# KiCad board kongMX.kicad_pcb
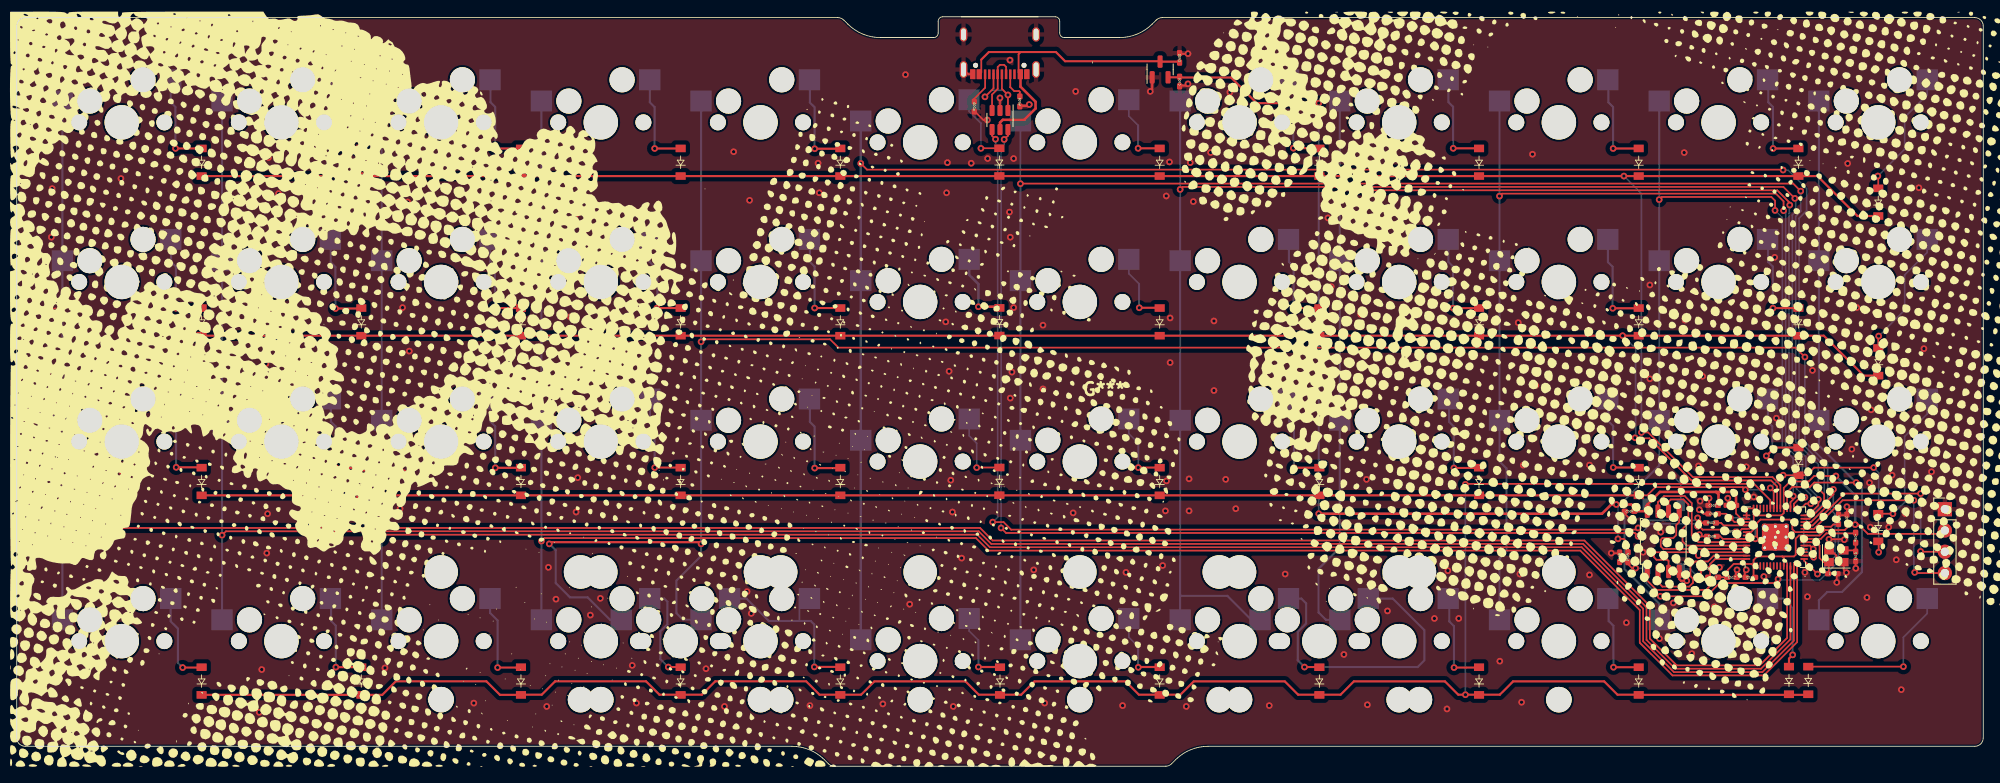
[diagram p0: board, top side]
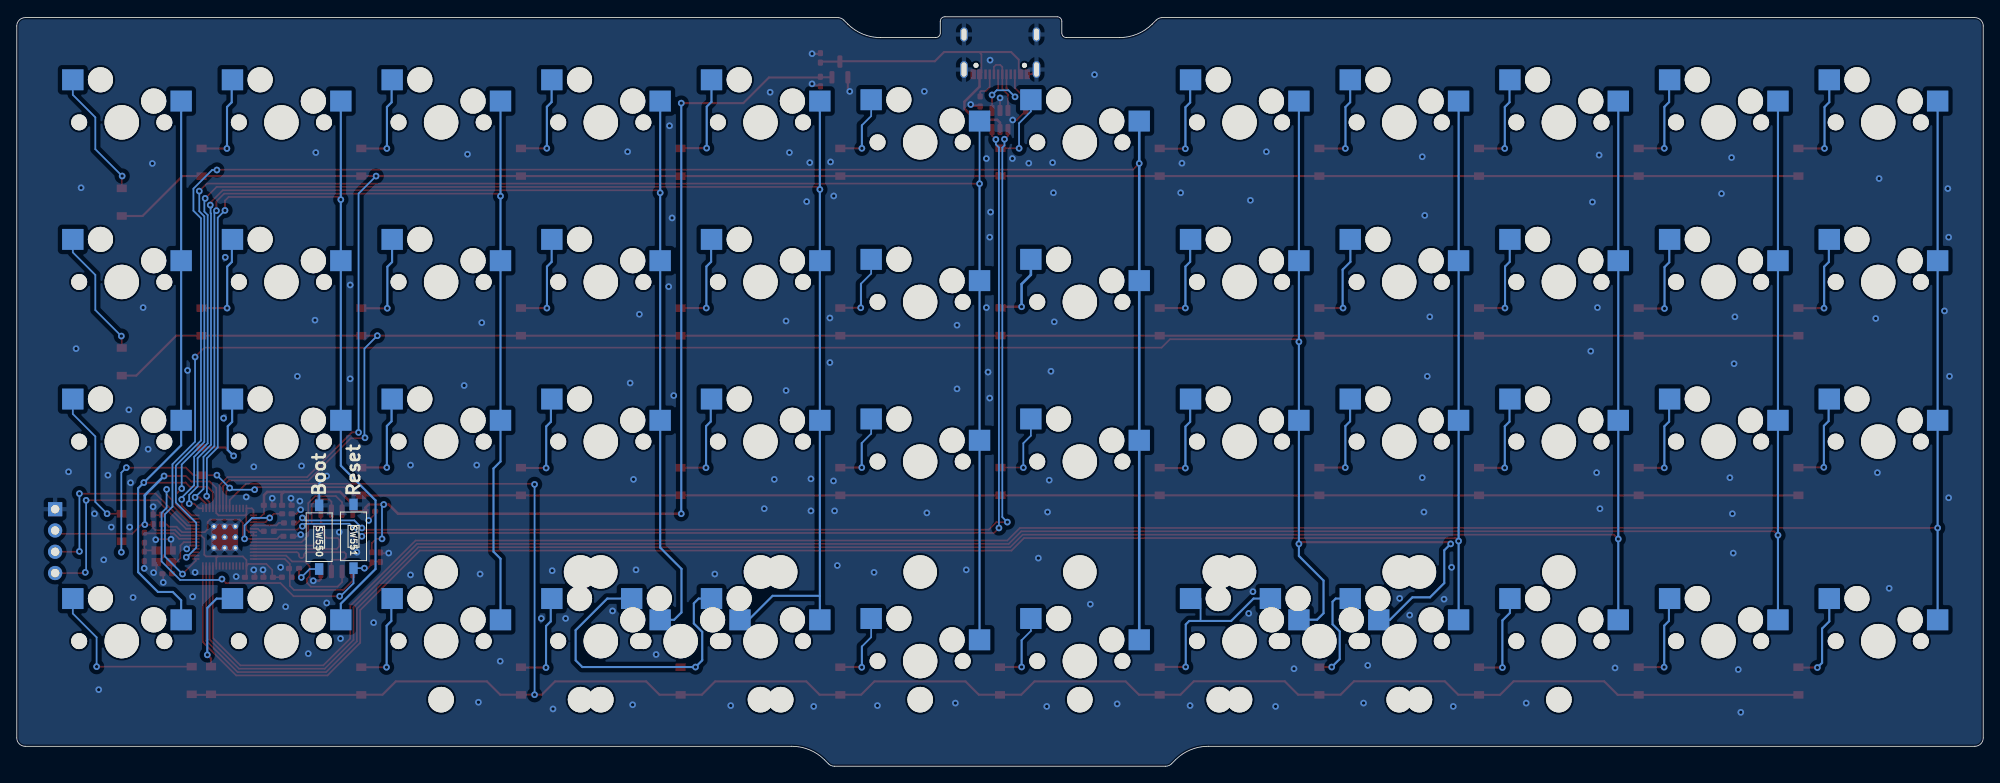
[diagram p1: board, bottom side, seen from below]

Outline 234.6 x 89.45 mm; copper layers: Top, Bottom. Coordinates in mm from the lower left corner of the outline.
Outline path: 0,88.34 0,3.38 ; 1,2.38 92.47,2.38 ; 96.36,0.77 96.84,0.29 ; 97.54,0 137.06,0 ; 97.96,89.34 1,89.34 ; 99.14,88.57 98.66,89.05 ; 109.38,86.96 103.03,86.96 ; 109.93,88.9 109.93,87.5 ; 123.88,89.45 110.47,89.45 ; 124.43,87.5 124.43,88.9 ; 131.57,86.96 124.97,86.96 ; 135.94,89.05 135.46,88.57 ; 137.76,0.29 138.24,0.77 ; 142.13,2.38 233.6,2.38 ; 233.6,89.34 136.64,89.34 ; 234.6,3.38 234.6,88.34
Stack: Top 0.035mm / dielectric 0.91mm FR4 er 4.5 / Bottom 0.035mm

## Placement (name value [footprint] x y rotation side)
C500  1uF  [C_0402_HandSolder]  138.73 84.54 90 top
C501  1uF  [C_0402_HandSolder]  138.73 81.72 270 top
C502  100nF  [C_0402_HandSolder]  202.38 31.14 180 top
C503  1uF  [C_0402_HandSolder]  204.56 31.14 180 top
C504  100nF  [C_0402_HandSolder]  192.41 30.43 180 top
C505  1uF  [C_0402_HandSolder]  202.38 30.13 180 top
C506  100nF  [C_0402_HandSolder]  217.34 29.47 90 top
C507  100nF  [C_0402_HandSolder]  218.34 29.47 90 top
C508  100nF  [C_0402_HandSolder]  202.23 27.44 180 top
C509  100nF  [C_0402_HandSolder]  191.23 24.94 90 top
C510  27pF  [C_0402_HandSolder]  219.39 25.05 90 top
C511  27pF  [C_0402_HandSolder]  216.65 22.98 180 top
C512  100nF  [C_0402_HandSolder]  204.61 22.55 0 top
C513  100nF  [C_0402_HandSolder]  206.82 22.55 180 top
D500  D  [D_SOD-123]  22.05 72.08 90 top
D501  D  [D_SOD-123]  41.1 72.08 90 top
D502  D  [D_SOD-123]  60.15 72.08 90 top
D503  D  [D_SOD-123]  79.2 72.08 90 top
D504  D  [D_SOD-123]  98.25 72.08 90 top
D505  D  [D_SOD-123]  117.23 72.1 90 top
D506  D  [D_SOD-123]  136.35 72.08 90 top
D507  D  [D_SOD-123]  155.4 72.08 90 top
D508  D  [D_SOD-123]  174.45 72.08 90 top
D509  D  [D_SOD-123]  193.5 72.08 90 top
D510  D  [D_SOD-123]  212.55 72.08 90 top
D511  D  [D_SOD-123]  222.08 67.32 90 top
D512  D  [D_SOD-123]  22.05 53.03 90 top
D513  D  [D_SOD-123]  41.1 53.03 90 top
D514  D  [D_SOD-123]  60.15 53.03 90 top
D515  D  [D_SOD-123]  79.2 53.03 90 top
D516  D  [D_SOD-123]  98.25 53.03 90 top
D517  D  [D_SOD-123]  117.23 53.05 90 top
D518  D  [D_SOD-123]  136.35 53.03 90 top
D519  D  [D_SOD-123]  155.4 53.03 90 top
D520  D  [D_SOD-123]  174.45 53.03 90 top
D521  D  [D_SOD-123]  193.5 53.03 90 top
D522  D  [D_SOD-123]  212.55 53.03 90 top
D523  D  [D_SOD-123]  222.08 48.27 90 top
D524  D  [D_SOD-123]  212.56 36.38 90 top
D525  D  [D_SOD-123]  22.05 33.98 90 top
D526  D  [D_SOD-123]  41.1 33.98 90 top
D527  D  [D_SOD-123]  60.15 33.98 90 top
D528  D  [D_SOD-123]  79.2 33.98 90 top
D529  D  [D_SOD-123]  98.25 33.98 90 top
D530  D  [D_SOD-123]  117.23 34 90 top
D531  D  [D_SOD-123]  136.35 33.98 90 top
D532  D  [D_SOD-123]  155.4 33.98 90 top
D533  D  [D_SOD-123]  174.45 33.98 90 top
D534  D  [D_SOD-123]  193.5 33.98 90 top
D535  D  [D_SOD-123]  222.08 28.49 90 top
D536  D  [D_SOD-123]  22.05 10.17 90 top
D537  D  [D_SOD-123]  41.1 10.17 90 top
D538  D  [D_SOD-123]  60.15 10.17 90 top
D539  D  [D_SOD-123]  79.2 10.17 90 top
D540  D  [D_SOD-123]  98.25 10.17 90 top
D541  D  [D_SOD-123]  117.3 10.17 90 top
D542  D  [D_SOD-123]  136.35 10.17 90 top
D543  D  [D_SOD-123]  155.4 10.17 90 top
D544  D  [D_SOD-123]  174.45 10.17 90 top
D545  D  [D_SOD-123]  193.5 10.17 90 top
D546  D  [D_SOD-123]  211.43 10.24 90 top
D547  D  [D_SOD-123]  213.73 10.24 90 top
G***  -  [LOGO]  129.72 45 0 top
J500  USB_C_Receptacle_USB2.0  [USB C-31-M-12]  117.28 83.65 180 top
J501  BL_CONN  [PinHeader_1x04_P2.54mm_Vertical]  230.03 30.68 0 top
R500  5.1k  [R_0402_HandSolder]  114.23 78.72 270 top
R501  5.1k  [R_0402_HandSolder]  119.67 79.34 270 top
R502  27R  [R_0402_HandSolder]  202.13 29.04 180 top
R503  27R  [R_0402_HandSolder]  204.54 28.04 180 top
R504  1k  [R_0402_HandSolder]  219.38 27.28 90 top
R505  1k  [R_0402_HandSolder]  192.23 24.94 270 top
R506  1k  [R_0402_HandSolder]  201.53 23.6 180 top
R507  10k  [R_0402_HandSolder]  202.38 22.56 0 top
SW500  SW_Push  [CherryMX_Hotswap]  12.53 76.84 0 top
SW501  SW_Push  [CherryMX_Hotswap]  31.58 76.84 0 top
SW502  SW_Push  [CherryMX_Hotswap]  50.63 76.84 0 top
SW503  SW_Push  [CherryMX_Hotswap]  69.68 76.84 0 top
SW504  SW_Push  [CherryMX_Hotswap]  88.73 76.84 0 top
SW505  SW_Push  [CherryMX_Hotswap]  145.88 76.84 0 top
SW506  SW_Push  [CherryMX_Hotswap]  164.93 76.84 0 top
SW507  SW_Push  [CherryMX_Hotswap]  183.98 76.84 0 top
SW508  SW_Push  [CherryMX_Hotswap]  203.03 76.84 0 top
SW509  SW_Push  [CherryMX_Hotswap]  222.08 76.84 0 top
SW510  SW_Push  [CherryMX_Hotswap]  107.78 74.46 0 top
SW511  SW_Push  [CherryMX_Hotswap]  126.83 74.46 0 top
SW512  SW_Push  [CherryMX_Hotswap]  12.53 57.79 0 top
SW513  SW_Push  [CherryMX_Hotswap]  31.58 57.79 0 top
SW514  SW_Push  [CherryMX_Hotswap]  50.63 57.79 0 top
SW515  SW_Push  [CherryMX_Hotswap]  69.68 57.79 0 top
SW516  SW_Push  [CherryMX_Hotswap]  88.73 57.79 0 top
SW517  SW_Push  [CherryMX_Hotswap]  145.88 57.79 0 top
SW518  SW_Push  [CherryMX_Hotswap]  164.93 57.79 0 top
SW519  SW_Push  [CherryMX_Hotswap]  183.98 57.79 0 top
SW520  SW_Push  [CherryMX_Hotswap]  203.03 57.79 0 top
SW521  SW_Push  [CherryMX_Hotswap]  222.08 57.79 0 top
SW522  SW_Push  [CherryMX_Hotswap]  107.78 55.41 0 top
SW523  SW_Push  [CherryMX_Hotswap]  126.83 55.41 0 top
SW524  SW_Push  [CherryMX_Hotswap]  12.53 38.74 0 top
SW525  SW_Push  [CherryMX_Hotswap]  31.58 38.74 0 top
SW526  SW_Push  [CherryMX_Hotswap]  50.63 38.74 0 top
SW527  SW_Push  [CherryMX_Hotswap]  69.68 38.74 0 top
SW528  SW_Push  [CherryMX_Hotswap]  88.73 38.74 0 top
SW529  SW_Push  [CherryMX_Hotswap]  145.88 38.74 0 top
SW530  SW_Push  [CherryMX_Hotswap]  164.93 38.74 0 top
SW531  SW_Push  [CherryMX_Hotswap]  183.98 38.74 0 top
SW532  SW_Push  [CherryMX_Hotswap]  203.03 38.74 0 top
SW533  SW_Push  [CherryMX_Hotswap]  222.08 38.74 0 top
SW534  SW_Push  [CherryMX_Hotswap]  107.78 36.36 0 top
SW535  SW_Push  [CherryMX_Hotswap]  126.83 36.36 0 top
SW536  SW_Push  [CherryMX_Hotswap]  12.53 14.93 0 top
SW537  SW_Push  [CherryMX_Hotswap]  31.58 14.93 0 top
SW538  SW_Push  [CherryMX_Hotswap]  50.63 14.93 0 top
SW539  SW_Push  [CherryMX_Hotswap_3u_stabs]  69.68 14.93 0 top
SW540  SW_Push  [CherryMX_Hotswap_2u_stabs]  79.2 14.93 0 top
SW541  SW_Push  [CherryMX_Hotswap_3u_stabs]  88.73 14.93 0 top
SW542  SW_Push  [CherryMX_Hotswap_3u_stabs]  145.88 14.93 0 top
SW543  SW_Push  [CherryMX_Hotswap_2u_stabs]  155.4 14.93 0 top
SW544  SW_Push  [CherryMX_Hotswap_3u_stabs]  164.93 14.93 0 top
SW545  SW_Push  [CherryMX_Hotswap]  183.98 14.93 0 top
SW546  SW_Push  [CherryMX_Hotswap]  203.03 14.93 0 top
SW547  SW_Push  [CherryMX_Hotswap]  222.08 14.93 0 top
SW548  SW_Push  [CherryMX_Hotswap]  107.78 12.55 0 top
SW549  SW_Push  [CherryMX_Hotswap]  126.83 12.55 0 top
SW550  SW_Push  [Micro_Push_Button_3x6x2.5mm]  198.53 27.34 270 bottom
SW551  SW_Push  [Micro_Push_Button_3x6x2.5mm]  194.43 27.44 270 bottom
U500  XC6206PxxxMR  [SOT-23]  136.4 83.16 90 top
U501  USBLC6-2SC6  [SOT-23-6]  117.3 77.12 270 top
U502  W25Q128JVS  [SOIC-8_5.23x5.23mm_P1.27mm]  196.43 26.84 90 top
U503  RP2040  [RP2040-QFN-56]  209.8 27.34 90 top
Y500  Crystal_GND24_Small  [Crystal_SMD_2520-4Pin_2.5x2.0mm]  217.08 25.06 0 top

## Footprints (pads in the part's own frame, mm; a bottom-side part is the same pattern mirrored in y, then rotated)
C_0402_HandSolder
  rrect 0.735x0.62 smd: 1(-0.568,0) 2(0.568,0)
CherryMX_Hotswap
  round 1.9 hole 1.9 unplated: (-5.08,0) (5.08,0)
  round 3 hole 3 unplated: (-3.81,2.54) (2.54,5.08)
  round 4.1 hole 4.1 unplated: (0,0)
  rect 2.55x2.5 smd far side: 1(-7.085,2.54) 2(5.842,5.08)
CherryMX_Hotswap_2u_stabs
  round 3.988 hole 3.988 unplated: (-11.938,8.255) (11.938,8.255)
  round 3.048 hole 3.048 unplated: (-11.938,-6.985) (11.938,-6.985)
  round 1.9 hole 1.9 unplated: (-5.08,0) (5.08,0)
  round 3 hole 3 unplated: (-3.81,2.54) (2.54,5.08)
  round 4.1 hole 4.1 unplated: (0,0)
  rect 2.55x2.5 smd far side: 1(-7.085,2.54) 2(5.842,5.08)
CherryMX_Hotswap_3u_stabs
  round 3.988 hole 3.988 unplated: (-19.05,8.255) (19.05,8.255)
  round 3.048 hole 3.048 unplated: (-19.05,-6.985) (19.05,-6.985)
  round 1.9 hole 1.9 unplated: (-5.08,0) (5.08,0)
  round 3 hole 3 unplated: (-3.81,2.54) (2.54,5.08)
  round 4.1 hole 4.1 unplated: (0,0)
  rect 2.55x2.5 smd far side: 1(-7.085,2.54) 2(5.842,5.08)
Crystal_SMD_2520-4Pin_2.5x2.0mm
  rect 1.15x1 smd: 1(-0.875,-0.7) 2(0.875,-0.7) 3(0.875,0.7) 4(-0.875,0.7)
D_SOD-123
  rect 0.9x1.2 smd: 1(-1.65,0) 2(1.65,0)
Micro_Push_Button_3x6x2.5mm
  rect 1.4x1 smd: 1(-3.8,0) 2(3.8,0)
PinHeader_1x04_P2.54mm_Vertical
  rect 1.7x1.7 hole 1: 1(0,0)
  oval 1.7x1.7 hole 1: 2(0,-2.54) 3(0,-5.08) 4(0,-7.62)
R_0402_HandSolder
  rrect 0.715x0.64 smd: 1(-0.598,0) 2(0.598,0)
RP2040-QFN-56
  rrect 1.084x1.084 smd: (-0.637,0.637) (-0.637,-0.637) (0.637,0.637) (0.637,-0.637)
  rrect 0.875x0.2 smd: 1(-3.438,2.6) 2(-3.438,2.2) 3(-3.438,1.8) 4(-3.438,1.4) 5(-3.438,1) 6(-3.438,0.6) 7(-3.438,0.2) 8(-3.438,-0.2) 9(-3.438,-0.6) 10(-3.438,-1) 11(-3.438,-1.4) 12(-3.438,-1.8) 13(-3.438,-2.2) 14(-3.438,-2.6) 29(3.438,-2.6) 30(3.438,-2.2) 31(3.438,-1.8) 32(3.438,-1.4) 33(3.438,-1) 34(3.438,-0.6) 35(3.438,-0.2) 36(3.438,0.2) 37(3.438,0.6) 38(3.438,1) 39(3.438,1.4) 40(3.438,1.8) 41(3.438,2.2) 42(3.438,2.6)
  rrect 0.2x0.875 smd: 15(-2.6,-3.438) 16(-2.2,-3.438) 17(-1.8,-3.438) 18(-1.4,-3.438) 19(-1,-3.438) 20(-0.6,-3.438) 21(-0.2,-3.438) 22(0.2,-3.438) 23(0.6,-3.438) 24(1,-3.438) 25(1.4,-3.438) 26(1.8,-3.438) 27(2.2,-3.438) 28(2.6,-3.438) 43(2.6,3.438) 44(2.2,3.438) 45(1.8,3.438) 46(1.4,3.438) 47(1,3.438) 48(0.6,3.438) 49(0.2,3.438) 50(-0.2,3.438) 51(-0.6,3.438) 52(-1,3.438) 53(-1.4,3.438) 54(-1.8,3.438) 55(-2.2,3.438) 56(-2.6,3.438)
  round 0.7 hole 0.35: 57(-1.275,1.275) 57(-1.275,0) 57(-1.275,-1.275) 57(0,1.275) 57(0,0) 57(0,-1.275) 57(1.275,1.275) 57(1.275,0) 57(1.275,-1.275)
  rrect 3.2x3.2 smd: 57(0,0)
SOIC-8_5.23x5.23mm_P1.27mm
  rrect 1.6x0.6 smd: 1(-3.6,1.905) 2(-3.6,0.635) 3(-3.6,-0.635) 4(-3.6,-1.905) 5(3.6,-1.905) 6(3.6,-0.635) 7(3.6,0.635) 8(3.6,1.905)
SOT-23
  rrect 1.475x0.6 smd: 1(-0.938,0.95) 2(-0.938,-0.95) 3(0.938,0)
SOT-23-6
  rrect 1.325x0.6 smd: 1(-1.137,0.95) 2(-1.137,0) 3(-1.137,-0.95) 4(1.137,-0.95) 5(1.137,0) 6(1.137,0.95)
USB C-31-M-12
  round 0.6 hole 0.6 unplated: (-2.89,0) (2.89,0)
  rect 0.6x1.15 smd: A1(-3.225,1.07) A4(-2.45,1.07) A9(2.45,1.07) A12(3.225,1.07) B1(3.225,1.07) B4(2.45,1.07) B9(-2.45,1.07) B12(-3.225,1.07)
  rect 0.3x1.15 smd: A5(-1.25,1.07) A6(-0.25,1.07) A7(0.25,1.07) A8(1.25,1.07) B5(1.75,1.07) B6(0.75,1.07) B7(-0.75,1.07) B8(-1.75,1.07)
  oval 0.9x2 hole 0.6x1.7: S1(-4.325,0.5) S1(4.325,0.5)
  oval 0.9x1.7 hole 0.6x1.4: S1(-4.325,-3.68) S1(4.325,-3.68)

## Nets
+1V1: C505.1 C506.1 C508.1 U503.23 U503.45 U503.50
+3.3V: C501.1 C502.1 C503.1 C504.1 C507.1 C512.1 C513.1 J501.2 R505.1 R507.2 U500.2 U502.8 U503.1 U503.10 U503.22 U503.33 U503.42 U503.43 U503.44 U503.48 U503.49
GND: C500.2 C501.2 C502.2 C503.2 C504.2 C505.2 C506.2 C507.2 C508.2 C509.2 C510.1 C511.1 C512.2 C513.2 J500.A1 J500.A12 J500.B1 J500.B12 J500.S1 J501.1 R500.2 R501.2 SW550.1 SW551.1 U500.1 U501.2 U502.4 U503.19 U503.57 Y500.2 Y500.4
VBUS: C500.1 J500.A4 J500.A9 J500.B4 J500.B9 U500.3 U501.5
Col_1: SW500.1 SW512.1 SW524.1 SW536.1 U503.11
Col_2: SW501.1 SW513.1 SW525.1 SW537.1 U503.12
Col_3: SW502.1 SW514.1 SW526.1 SW538.1 U503.13
Col_4: SW503.1 SW515.1 SW527.1 SW539.1 U503.14
Col_5: SW504.1 SW516.1 SW528.1 SW540.1 SW541.1 U503.15
Col_6: SW510.1 SW522.1 SW534.1 SW548.1 U503.16
Col_7: SW511.1 SW523.1 SW535.1 SW549.1 U503.27
Col_8: SW505.1 SW517.1 SW529.1 SW542.1 SW543.1 U503.28
Col_9: SW506.1 SW518.1 SW530.1 SW544.1 U503.29
Col_10: SW507.1 SW519.1 SW531.1 SW545.1 U503.30
Col_11: SW508.1 SW520.1 SW532.1 SW546.1 U503.31
Col_12: SW509.1 SW521.1 SW533.1 SW547.1 U503.32
D+: R503.2 U501.6
D-: R502.2 U501.4
QSPI_SCLK: U502.6 U503.52
QSPI_SD0: U502.5 U503.53
QSPI_SD1: U502.2 U503.55
QSPI_SD2: U502.3 U503.54
QSPI_SD3: U502.7 U503.51
QSPI_SS: R506.1 R507.1 U502.1 U503.56
Row_1: D500.1 D501.1 D502.1 D503.1 D504.1 D505.1 D506.1 D507.1 D508.1 D509.1 D510.1 D511.1 U503.34
Row_2: D512.1 D513.1 D514.1 D515.1 D516.1 D517.1 D518.1 D519.1 D520.1 D521.1 D522.1 D523.1 U503.35
Row_3: D524.1 D525.1 D526.1 D527.1 D528.1 D529.1 D530.1 D531.1 D532.1 D533.1 D534.1 D535.1 U503.36
Row_4: D536.1 D537.1 D538.1 D539.1 D540.1 D541.1 D542.1 D543.1 D544.1 D545.1 D546.1 D547.1 U503.37
Net-(C1-Pad2): C511.2 U503.20 Y500.1
Net-(C2-Pad2): C510.2 R504.1 Y500.3
Net-(C3-Pad1): C509.1 R505.2 SW551.2 U503.26
Net-(D1-Pad2): D500.2 SW500.2
Net-(D2-Pad2): D512.2 SW512.2
Net-(D3-Pad2): D525.2 SW524.2
Net-(D4-Pad2): D536.2 SW536.2
Net-(D5-Pad2): D501.2 SW501.2
Net-(D6-Pad2): D513.2 SW513.2
Net-(D7-Pad2): D526.2 SW525.2
Net-(D8-Pad2): D537.2 SW537.2
Net-(D9-Pad2): D538.2 SW538.2
Net-(D10-Pad2): D502.2 SW502.2
Net-(D11-Pad2): D514.2 SW514.2
Net-(D12-Pad2): D527.2 SW526.2
Net-(D13-Pad2): D503.2 SW503.2
Net-(D14-Pad2): D515.2 SW515.2
Net-(D15-Pad2): D528.2 SW527.2
Net-(D16-Pad2): D504.2 SW504.2
Net-(D17-Pad2): D516.2 SW516.2
Net-(D18-Pad2): D529.2 SW528.2
Net-(D19-Pad2): D540.2 SW540.2 SW541.2
Net-(D20-Pad2): D505.2 SW510.2
Net-(D21-Pad2): D517.2 SW522.2
Net-(D22-Pad2): D530.2 SW534.2
Net-(D23-Pad2): D541.2 SW548.2
Net-(D24-Pad2): D506.2 SW511.2
Net-(D25-Pad2): D518.2 SW523.2
Net-(D26-Pad2): D531.2 SW535.2
Net-(D27-Pad2): D542.2 SW549.2
Net-(D28-Pad2): D507.2 SW505.2
Net-(D29-Pad2): D519.2 SW517.2
Net-(D30-Pad2): D532.2 SW529.2
Net-(D31-Pad2): D539.2 SW539.2
Net-(D32-Pad2): D508.2 SW506.2
Net-(D33-Pad2): D520.2 SW518.2
Net-(D34-Pad2): D533.2 SW530.2
Net-(D35-Pad2): D509.2 SW507.2
Net-(D36-Pad2): D521.2 SW519.2
Net-(D37-Pad2): D534.2 SW531.2
Net-(D38-Pad2): D545.2 SW545.2
Net-(D39-Pad2): D510.2 SW508.2
Net-(D40-Pad2): D522.2 SW520.2
Net-(D41-Pad2): D524.2 SW532.2
Net-(D42-Pad2): D546.2 SW546.2
Net-(D43-Pad2): D511.2 SW509.2
Net-(D44-Pad2): D523.2 SW521.2
Net-(D45-Pad2): D535.2 SW533.2
Net-(D46-Pad2): D547.2 SW547.2
Net-(D47-Pad2): D543.2 SW542.2 SW543.2
Net-(D48-Pad2): D544.2 SW544.2
Net-(J1-Pad3): J501.3 U503.25
Net-(J1-Pad4): J501.4 U503.24
Net-(J3-PadA5): J500.A5 R501.1
Net-(J3-PadA6): J500.A6 J500.B6 U501.1
Net-(J3-PadA7): J500.A7 J500.B7 U501.3
Net-(J3-PadB5): J500.B5 R500.1
Net-(R2-Pad2): R504.2 U503.21
Net-(R3-Pad1): R503.1 U503.47
Net-(R4-Pad1): R502.1 U503.46
Net-(R5-Pad2): R506.2 SW550.2

Pads without a net: J500 A8 B8; U503 2 3 4 5 6 7 8 9 17 18 38 39 40 41

## Via types
v1: diameter 0.8, hole 0.4, Top to Bottom, 296 vias

## Routing (per net, layer and track width the routed paths; a pad name or vN(x,y) marks a point on that pad's centre or on a via; arc(x,y) is an arc through that point)
+1V1: length 27
  Top w0.2: 217.33,28.86 216.72,28.86 216.45,28.59 215.54,28.59 214.89,27.94 U503.23 212.18,27.94 211.83,28.29 211.83,29.14 211.53,29.44 208.03,29.44 207.63,29.04 207.63,27.34 v1(207.43,27.14) U503.50 203.53,27.14 203.23,27.44 202.71,27.44 ; U503.45 204.93,29.14 v1(204.43,29.64) 203.94,30.13 C505.1
  Bottom w0.2: v1(207.43,27.14) 207.43,28.74 206.53,29.64 v1(204.43,29.64)
+3.3V: length 194.4
  Top w0.2: U503.1 207.2,24.61 207.63,25.04 210.63,25.04 ; U503.1 206.96,24.14 204.83,24.14 204.13,23.44 204.13,22.55 204.12,22.56 203.05,22.56 ; U503.1 207.2,22.68 207.33,22.55 ; 207.2,30.06 U503.42 206.56,30.78 206.36,30.58 U503.43 U503.44 205.73,29.54 205.11,30.16 205.11,31.14 ; 207.2,30.06 207.33,29.94 210.53,29.94 210.8,30.21 U503.33 210.8,33.21 211.57,33.98 213.77,33.98 214.43,34.64 v1(217.03,34.64) ; 207.2,30.06 207.23,30.04 207.23,28.27 206.9,27.94 U503.48 U503.49 ; 210.63,25.04 212.03,25.04 212.23,25.24 212.23,27.16 212.6,27.54 U503.22 215.06,27.54 215.71,28.19 218.08,28.19 218.33,28.44 218.33,28.86 218.35,28.84 v1(219.33,28.84) 219.73,28.84 220.83,27.74 229.63,27.74 J501.2 ; 210.63,25.04 210.8,24.86 U503.10 ; 192.23,25.45 192.23,26.64 191.73,27.14 v1(191.03,27.14)
  Top w0.25: v1(155.33,79.14) 147.93,79.14 144.87,82.2 138.73,82.2 138.7,82.22 U500.2
  Top w0.3: 203.02,31.15 203.02,32.45 202.73,32.74 ; v1(155.33,30.14) 189.13,30.14 190.23,31.24 v1(190.83,31.24) 192.63,31.24 193.01,30.86 193.01,30.44 U502.8 194.52,31.23 196.03,32.74 202.73,32.74 ; 202.73,32.74 204.73,32.74 205.11,32.36 205.11,31.14
  Bottom w0.2: v1(191.03,27.14) 191.03,31.04 v1(190.83,31.24)
  Bottom w0.25: v1(155.33,79.14) v1(155.33,30.14)
  Bottom w0.3: v1(217.03,34.64) 219.33,32.34 v1(219.33,28.84)
GND: length 36.6
  Top w0.2: v1(218.34,30.97) 218.34,29.95 217.34,29.95 ; 201.9,31.14 201.9,31.97 ; 201.75,27.44 200.93,27.44 v1(200.73,27.64) ; v1(218.28,23.11) 217.95,23.43 Y500.2 217.71,24.36 217.08,24.99 217.08,25.16 216.48,25.76 Y500.4 v1(216.2,27.09) 217.98,27.09 v1(218.03,27.04) ; C504.2 191.84,30.13 v1(192.63,29.34) ; J500.A12 113.52,82.58 J500.S1 ; U503.19 213.93,26.34 v1(214.33,25.94) ; 114.23,78.21 115.32,77.12 v1(115.79,77.12) ; 219.38,24.8 219.38,23.86 219.39,23.85 ; 120.62,78.8 v1(120.8,78.97) ; C505.2 201.22,30.13 v1(200.73,30.62) ; v1(217.13,21.94) 217.13,21.94 217.13,22.98 ; U501.2 117.3,79.75 v1(117.3,79.76) ; 191.23,25.42 190.25,25.42 v1(190.23,25.44)
  Top w0.25: U500.1 135.45,80.76 v1(135.23,80.54) ; 206.15,22.54 206.15,23.26 v1(206.33,23.44) ; v1(139.73,85.04) 139.71,85.02 138.73,85.02 ; 138.73,81.24 139.53,81.24 v1(139.73,81.44) ; v1(205.23,23.44) 205.09,23.3 205.09,22.55 ; v1(199.23,22.14) 198.53,22.14 198.33,22.33 U502.4 ; 204.15,31.14 204.15,31.97 v1(204.13,31.99)
  Top w0.3: v1(120.8,78.97) 120.65,78.83 119.67,78.83
  Bottom w0.2: SW550.1 198.53,33.74 v1(197.63,34.64)
  vias: v1(4.03,46.54) v1(4.13,63.14) v1(4.13,32.04) v1(4.23,68.94) v1(4.63,54.34) v1(11.23,21.24) v1(12.43,70.14) v1(12.63,35.04) v1(12.83,53.44) v1(28.93,6.44) v1(29.23,11.54) v1(29.63,53.64) v1(29.73,48.04) v1(29.83,25.44) v1(29.93,30.14) v1(30.03,72.64) v1(30.23,34.44) v1(31.23,68.34) v1(43.93,11.74) v1(45.73,30.74) v1(45.83,72.94) v1(46.03,54.74) v1(46.13,35.04) v1(46.63,67.34) v1(46.83,49.54) v1(54.53,7.54) v1(63.23,7.14) v1(63.43,23.74) v1(64.33,19.94) v1(66.03,53.64) v1(66.33,46.54) v1(66.63,65.74) v1(66.73,30.34) v1(66.93,72.74) v1(66.93,34.44) v1(68.43,18.04) v1(69.63,20.04) v1(73.43,12.04) v1(73.93,7.54) v1(82.23,11.64) v1(84.43,7.14) v1(85.53,73.34) v1(87.13,20.84) v1(87.43,67.54) v1(87.63,18.24) v1(94.63,7.24) v1(95.6,71.97) v1(95.75,68.44) v1(103.33,7.44) v1(106.03,82.54) v1(106.53,19.34) v1(110.83,53.04) v1(110.93,68.44) v1(111.03,72.04) v1(111.23,47.14) v1(111.43,34.14) v1(111.63,30.34) v1(111.73,7.14) v1(112.73,24.84) v1(113.87,71.97) v1(115.83,72.52) v1(118.43,66.14) v1(118.49,84.27) v1(118.53,63.14) v1(118.53,43.94) v1(118.73,47.04) v1(118.93,72.52) v1(118.93,54.74) v1(121.33,23.44) v1(122.43,52.64) v1(122.43,45.04) v1(122.63,7.54) v1(126.03,30.24) v1(126.33,80.54) v1(131.93,7.24) v1(132.33,23.14) v1(136.71,23.96) v1(137.04,30.48) v1(137.14,68.06) v1(137.17,34.05) v1(137.52,72.12) v1(137.6,53.5) v1(137.6,48.18) v1(139.53,7.14) v1(139.86,34.3) v1(139.86,30.48) v1(140,72.04) v1(140.37,67.39) v1(142.43,73.24) v1(142.83,53.14) v1(142.83,44.84) v1(144.23,34.24) v1(144.73,80.44) v1(145.43,30.74) v1(149.43,7.24) v1(151.33,22.94) v1(156.23,44.24) v1(156.43,65.44) v1(156.73,76.44) v1(156.83,57.24) v1(158.33,13.34) v1(160.33,53.94) v1(160.73,23.44) v1(161.03,34.24) v1(161.13,7.34) v1(161.43,45.74) v1(161.73,73.34) v1(163.53,18.54) v1(169.13,17.64) v1(170.63,6.84) v1(170.73,23.34) v1(172.03,17.64) v1(176.93,12.54) v1(179.13,52.94) v1(179.33,22.94) v1(179.53,7.64) v1(179.73,35.94) v1(180.83,73.04) v1(181.23,45.44) v1(187.63,35.94) v1(187.63,22.84) v1(192.03,17.14) v1(194.03,25.54) v1(194.83,57.44) v1(194.83,46.24) v1(195.98,15.24) v1(196.13,27.94) v1(197.63,19.49) v1(198.93,73.24) v1(199.03,53.24) v1(199.83,13.44) v1(200.63,35.84) v1(200.83,31.64) v1(201.13,46.54) v1(201.89,31.99) v1(202.53,19.04) v1(203.13,23.74) v1(206.33,35.74) v1(207.23,32.14) v1(208.43,22.64) v1(209.73,60.74) v1(209.93,41.54) v1(213.33,23.14) v1(213.63,20.24) v1(214.23,47.24) v1(218.43,71.94) v1(218.93,37.84) v1(219.4,23.62) v1(219.53,54.74) v1(220.73,20.14) v1(221.03,33.84) v1(221.13,28.54) v1(221.23,42.54) v1(223.33,28.54) v1(223.73,34.74) v1(224.23,24.64) v1(224.83,9.14) v1(225.33,30.14) v1(226.93,69.04) v1(227.53,49.84) v1(228.43,35.14)
VBUS: length 39.6
  Top w0.2: 119.79,85.24 119.52,84.97 119.52,82.79 J500.A4 ; 115.07,84.33 115.07,82.83 J500.A9
  Top w0.25: 115.07,84.33 115.98,85.24 123.97,85.24 125.07,84.14 136.36,84.14 U500.3 138.69,84.09 138.73,84.06
  Top w0.3: U501.5 117.3,76.81 117.64,77.15 120.2,77.15 121.55,78.5 121.55,79.3 119.75,81.1 119.75,82.37
Col_1: length 286.7
  Top w0.2: v1(5.44,28.44) 114.93,28.44 116.43,26.94 187.02,26.94 194.83,19.13 194.83,15.24 198.03,12.04 207.93,12.04 211.2,15.31 U503.11
  Bottom w0.25: SW500.1 v1(5.44,28.44) SW536.1
Col_2: length 268.5
  Top w0.2: U503.12 211.6,15.15 208.09,11.64 197.86,11.64 194.43,15.07 194.43,18.97 186.86,26.54 116.26,26.54 114.76,28.04 24.96,28.04 v1(24.49,27.57)
  Bottom w0.25: SW501.1 v1(24.49,27.57) SW537.1
Col_3: length 250.1
  Top w0.2: v1(43.54,27.12) 44.06,27.64 114.59,27.64 116.09,26.14 186.69,26.14 194.03,18.8 194.03,14.91 197.69,11.24 208.26,11.24 212,14.98 U503.13
  Bottom w0.25: SW538.1 v1(43.54,27.12) SW502.1
Col_4: length 231.7
  Top w0.2: U503.14 212.4,14.82 208.42,10.84 197.53,10.84 193.63,14.74 193.63,18.64 186.53,25.74 115.93,25.74 114.43,27.24 62.96,27.24 v1(62.59,26.87)
  Bottom w0.25: SW539.1 v1(62.59,26.87) SW503.1
Col_5: length 260.7
  Top w0.2: U503.15 213.24,24.53 v1(214.83,22.94) ; v1(81.64,50.66) 81.94,50.96 97.03,50.96 98.02,49.96 212.21,49.96 v1(213.33,48.84)
  Top w0.25: v1(63.53,26.54) 63.73,26.74 81.44,26.74 v1(81.64,26.54)
  Bottom w0.2: v1(214.83,22.94) 216.93,25.04 216.93,30.07 216.03,30.97 216.03,36.04 213.33,38.74 v1(213.33,48.84)
  Bottom w0.25: v1(63.53,26.54) 64.3,25.77 64.3,21.86 66,20.16 68.1,20.16 70.79,17.47 SW540.1 ; SW504.1 SW528.1 v1(81.64,26.54) 81.64,25.1 78.7,22.16 78.7,18.26 79.47,17.49 80.45,17.49
Col_6: length 224.3
  Top w0.2: v1(100.69,71.94) 101.43,71.2 210.68,71.2 v1(210.73,71.16) ; v1(214.38,24.94) 214.18,25.14 U503.16
  Bottom w0.2: v1(210.73,71.16) 211.3,71.16 213.53,68.93 213.53,66.3 212.63,65.4 212.63,38.87 215.63,35.87 215.63,31.49 213.19,29.05 213.19,26.09 214.33,24.94
  Bottom w0.3: 100.69,77 v1(100.69,71.94) SW522.1 SW548.1
Col_7: length 197.5
  Top w0.2: U503.27 213.89,29.54 215.63,31.27 215.63,32.44 v1(214.93,33.14) ; v1(119.74,69.52) 119.76,69.54 211.93,69.54 v1(212.83,68.64)
  Bottom w0.2: v1(119.74,69.52) 119.74,77 ; v1(212.83,68.64) 212.83,66.23 212.23,65.63 212.23,38.71 214.93,36.01 v1(214.93,33.14)
  Bottom w0.25: v1(119.74,69.52) SW549.1
Col_8: length 187
  Top w0.2: U503.28 213.73,29.94 214.93,31.14 v1(214.93,31.84) ; v1(138.79,68.84) 139.09,69.14 210.76,69.14 v1(212.13,67.77)
  Bottom w0.2: v1(212.13,67.77) 212.22,67.68 212.22,66.19 211.83,65.8 211.83,38.54 213.44,36.93 213.44,33.54 214.93,32.05 v1(214.93,31.84)
  Bottom w0.25: 138.79,20.3 SW505.1 ; 138.79,20.3 138.83,20.34 144.43,20.34 147.29,17.47 SW543.1 ; 138.79,20.3 SW542.1
Col_9: length 158.4
  Top w0.2: v1(214.03,31.34) 213.43,31.34 212.86,30.78 U503.29 ; v1(157.84,68.44) 158.14,68.74 210.03,68.74 211.52,67.24 v1(211.52,66.98)
  Bottom w0.2: v1(214.03,31.34) 214.03,32.39 213.03,33.39 213.03,36.78 211.43,38.38 211.43,65.96 211.48,66.01 211.48,66.59 211.31,66.77 v1(211.52,66.98)
  Bottom w0.25: SW544.1 156.19,17.47 155.3,18.36 155.3,23.56 157.84,26.1 SW530.1 SW506.1
Col_10: length 135.6
  Top w0.2: v1(213.33,32.1) 212.79,32.1 212,31.31 U503.30 ; v1(210.78,66.3) 210.78,67.42 209.86,68.34 177.19,68.34 v1(176.89,68.04)
  Bottom w0.2: v1(210.78,66.3) 211.03,66.06 211.03,38.21 212.33,36.91 212.33,33.1 v1(213.33,32.1)
  Bottom w0.25: SW545.1 176.89,24.77 177.73,25.61 177.73,35.54 176.89,36.37 SW507.1
Col_11: length 117.2
  Top w0.2: U503.31 211.6,31.51 211.94,31.85 v1(211.94,32.24) ; v1(195.94,67.62) 196.26,67.94 209.33,67.94 209.76,67.5 v1(209.76,66.33)
  Bottom w0.2: v1(211.94,32.24) 211.93,32.25 211.93,36.74 210.63,38.04 210.63,65.47 v1(209.76,66.33)
  Bottom w0.25: SW546.1 195.94,19.4 191.8,23.54 191.8,31.74 195.94,35.88 v1(195.94,67.62) SW508.1
Col_12: length 77.9
  Top w0.2: v1(219.44,33.85) 214.44,33.85 213.93,33.34 211.83,33.34 211.2,32.71 U503.32
  Bottom w0.25: SW509.1 214.99,38.3 v1(219.44,33.85) 220.13,33.17 220.13,23.17 217.76,20.8 215.99,20.8 214.99,19.8 SW547.1
D+: length 135.9
  Top w0.2: v1(200.52,28.64) 200.72,28.64 201.12,28.24 203.83,28.24 204.03,28.04 ; v1(117.43,28.44) 118.03,27.84 193.03,27.84 v1(193.43,27.44) ; v1(117.79,74.8) 118.25,75.26 118.25,75.96
  Bottom w0.2: v1(200.52,28.64) 200.22,28.94 194.92,28.94 v1(193.43,27.44) ; v1(117.43,28.44) 117.43,73.84 117.79,74.21 v1(117.79,74.8)
D-: length 133.7
  Top w0.2: 116.35,75.96 116.35,75.25 v1(116.77,74.83) ; 201.62,29.04 201.12,29.04 v1(200.52,29.64) ; v1(193.43,28.44) 193.23,28.24 118.63,28.24 117.73,29.14 v1(116.43,29.14)
  Bottom w0.2: v1(200.52,29.64) 200.23,29.34 194.33,29.34 v1(193.43,28.44) ; v1(116.43,29.14) 117.03,29.74 117.03,73.84 116.77,74.1 v1(116.77,74.83)
QSPI_SCLK: length 16.4
  Top w0.2: U503.52 199.23,26.34 198.73,26.84 198.73,28.34 199.43,29.04 199.43,31.24 198.83,31.84 197.33,31.84 197.06,31.57 U502.6
QSPI_SD0: length 16.2
  Top w0.2: U503.53 196.43,25.94 196.13,26.24 196.13,27.04 196.33,27.24 197.63,27.24 197.98,27.59 197.98,28.79 198.33,29.14 198.33,30.43 U502.5
QSPI_SD1: length 15.2
  Top w0.2: U502.2 195.79,21.97 196.33,21.44 199.52,21.44 199.98,21.9 199.98,22.38 199.67,22.69 199.67,23.88 200.23,24.44 201.76,24.44 202.46,25.14 U503.55
QSPI_SD2: length 15.6
  Top w0.2: U503.54 201.23,25.54 arc(201.01,25.45) 200.93,25.24 200.93,25.14 arc(200.84,24.93) 200.63,24.84 arc(200.41,24.93) 200.33,25.14 200.33,25.24 arc(200.24,25.45) 200.03,25.54 195.53,25.54 195.33,25.34 195.33,24.94 195.63,24.64 196.93,24.64 197.06,24.5 U502.3
QSPI_SD3: length 16.4
  Top w0.2: 206.3,26.74 200.63,26.74 199.83,27.54 199.83,31.4 198.99,32.24 196.53,32.24 195.79,31.5 U502.7
QSPI_SS: length 16.5
  Top w0.2: U502.1 194.52,22.14 195.63,21.04 201.53,21.04 202.03,21.54 202.03,24.14 202.62,24.74 U503.56
Row_1: length 255.4
  Top w0.2: v1(193.83,39.84) 194.63,39.84 199.96,34.5 209.46,34.5 210.4,33.56 U503.34
  Top w0.25: D500.1 D504.1 v1(191.73,70.43) D510.1 214.83,70.43 219.59,65.67 D511.1
  Bottom w0.2: v1(193.83,39.84) 193.83,68.34 v1(191.73,70.43)
Row_2: length 236.9
  Top w0.2: U503.35 210,33.4 209.29,34.1 199.79,34.1 194.76,39.14 193.12,39.14 v1(193.06,39.2)
  Top w0.25: D523.1 220.34,46.62 215.58,51.38 D522.1 v1(191.58,51.38) D516.1 D512.1
  Bottom w0.2: v1(191.58,51.38) 193.13,49.84 193.13,39.55 193.27,39.41 v1(193.06,39.2)
Row_3: length 215.4
  Top w0.2: D534.1 194.52,32.33 195.49,33.3 205.93,33.3 v1(206.23,33.01) ; D535.1 222.13,26.79 v1(222.13,25.54) ; U503.36 209.6,32.81 v1(209.2,33.21) ; v1(221.53,35.64) 214.43,35.64 213.52,34.73 D524.1 210.73,34.73 v1(210.73,34.74)
  Top w0.25: D534.1 D529.1 D525.1
  Bottom w0.2: v1(222.13,25.54) 222.13,35.04 v1(221.53,35.64) ; v1(206.23,33.01) 208.99,33.01 v1(209.2,33.21) v1(210.73,34.74)
Row_4: length 265.6
  Top w0.2: U503.37 209.2,31.76 207.26,33.7 172.89,33.7 v1(172.83,33.64)
  Top w0.25: 98.28,8.54 95.77,8.54 94.17,10.14 83.33,10.14 81.73,8.54 79.23,8.54 ; 155.38,8.54 152.87,8.54 151.28,10.13 140.41,10.13 138.83,8.54 136.33,8.54 ; 117.28,8.54 114.77,8.54 113.18,10.13 102.31,10.13 100.73,8.54 98.23,8.54 ; 60.13,8.54 62.63,8.54 64.23,10.14 75.07,10.14 76.67,8.54 79.18,8.54 ; D545.1 213.66,8.52 D547.1 ; 174.43,8.54 176.93,8.54 178.51,10.13 189.38,10.13 190.97,8.54 193.48,8.54 ; 117.33,8.54 119.83,8.54 121.41,10.13 132.28,10.13 133.87,8.54 136.38,8.54 ; 155.43,8.54 157.93,8.54 159.51,10.13 170.38,10.13 171.97,8.54 v1(172.83,8.54) 174.48,8.54 ; D536.1 D537.1 43.61,8.52 45.23,10.14 56.03,10.14 57.64,8.52 D538.1
  Bottom w0.2: v1(172.83,33.64) v1(172.83,8.54)
Net-(C1-Pad2): length 6.2
  Top w0.2: U503.20 214.67,26.74 215.08,26.33 215.08,24.85 215.57,24.36 Y500.1 216.17,24.33 216.17,22.98
Net-(C2-Pad2): length 2.4
  Top w0.2: 219.38,26.77 219.38,25.76 219.37,25.76 Y500.3
Net-(C3-Pad1): length 45.5
  Top w0.2: v1(196.07,20.29) 201.58,20.29 203.15,21.86 209.65,21.86 v1(210.13,22.34) ; U503.26 214.06,29.14 216.03,31.11 216.03,31.74 216.72,32.44 v1(216.72,33.04) ; v1(193.13,23.64) 192.71,23.64 192.23,24.12 192.23,24.43 191.26,24.43
  Bottom w0.2: v1(216.72,33.04) 216.72,30.84 217.33,30.24 217.33,24.45 215.11,22.23 210.24,22.23 v1(210.13,22.34) ; v1(196.07,20.29) 195.98,20.29 194.43,21.84 SW551.2 v1(193.13,23.64)
Net-(D1-Pad2): length 11.5
  Top w0.25: v1(18.94,73.73) D500.2
  Bottom w0.25: SW500.2 18.37,79.25 18.93,78.68 18.93,73.74 v1(18.94,73.73)
Net-(D2-Pad2): length 11.5
  Top w0.25: v1(18.99,54.67) 22.1,54.67
  Bottom w0.25: v1(18.99,54.67) 18.98,54.68 18.98,59.62 18.42,60.18 18.42,62.86
Net-(D3-Pad2): length 11.5
  Top w0.25: v1(19.02,35.68) 22.13,35.68
  Bottom w0.25: 18.45,43.87 18.45,41.19 19.01,40.63 19.01,35.69 v1(19.02,35.68)
Net-(D4-Pad2): length 11
  Top w0.25: v1(19.79,11.78) 22.05,11.78
  Bottom w0.25: v1(19.79,11.78) 19.23,12.34 19.23,16.43 18.37,17.29 18.37,19.97
Net-(D5-Pad2): length 11.5
  Top w0.25: v1(38.05,73.75) 41.16,73.75
  Bottom w0.25: v1(38.05,73.75) 38.04,73.76 38.04,78.7 37.48,79.26 37.48,81.94
Net-(D6-Pad2): length 11.5
  Top w0.25: v1(38.03,54.63) 41.14,54.63
  Bottom w0.25: 37.46,62.82 37.46,60.14 38.02,59.58 38.02,54.64 v1(38.03,54.63)
Net-(D7-Pad2): length 11.5
  Top w0.25: v1(38.05,35.62) 41.16,35.62
  Bottom w0.25: 37.48,43.81 37.48,41.13 38.04,40.57 38.04,35.63 v1(38.05,35.62)
Net-(D8-Pad2): length 11.5
  Top w0.25: v1(38.07,11.83) 41.18,11.83
  Bottom w0.25: v1(38.07,11.83) 38.06,11.84 38.06,16.78 37.5,17.34 37.5,20.02
Net-(D9-Pad2): length 11.3
  Top w0.25: v1(57.36,11.78) 60.15,11.78
  Bottom w0.25: v1(57.36,11.78) 57.36,17.4 56.47,18.3 56.47,19.97
Net-(D10-Pad2): length 11.5
  Top w0.25: v1(57.09,73.73) 60.2,73.73
  Bottom w0.25: 56.52,81.92 56.52,79.24 57.08,78.68 57.08,73.74 v1(57.09,73.73)
Net-(D11-Pad2): length 11.5
  Top w0.25: v1(57.06,54.69) 60.17,54.69
  Bottom w0.25: 56.49,62.88 56.49,60.2 57.05,59.64 57.05,54.7 v1(57.06,54.69)
Net-(D12-Pad2): length 11.5
  Top w0.25: v1(57.09,35.62) 60.2,35.62
  Bottom w0.25: v1(57.09,35.62) 57.08,35.63 57.08,40.57 56.52,41.13 56.52,43.81
Net-(D13-Pad2): length 11.5
  Top w0.25: v1(76.1,73.73) 79.21,73.73
  Bottom w0.25: 75.53,81.92 75.53,79.24 76.09,78.68 76.09,73.74 v1(76.1,73.73)
Net-(D14-Pad2): length 11.4
  Top w0.25: v1(76.38,54.69) 79.18,54.69
  Bottom w0.25: v1(76.38,54.69) 76.43,54.73 76.43,59.27 75.5,60.2 75.5,62.88
Net-(D15-Pad2): length 11.5
  Top w0.25: v1(76.11,35.65) 79.22,35.65
  Bottom w0.25: 75.54,43.84 75.54,41.16 76.1,40.6 76.1,35.66 v1(76.11,35.65)
Net-(D16-Pad2): length 11.5
  Top w0.25: v1(95.19,73.7) 98.3,73.7
  Bottom w0.25: v1(95.19,73.7) 95.18,73.71 95.18,78.65 94.62,79.21 94.62,81.89
Net-(D17-Pad2): length 11.5
  Top w0.25: v1(95.19,54.69) 98.3,54.69
  Bottom w0.25: v1(95.19,54.69) 95.18,54.7 95.18,59.64 94.62,60.2 94.62,62.88
Net-(D18-Pad2): length 11.5
  Top w0.25: v1(95.19,35.59) 98.3,35.59
  Bottom w0.25: 94.62,43.78 94.62,41.1 95.18,40.54 95.18,35.6 v1(95.19,35.59)
Net-(D19-Pad2): length 22.3
  Top w0.25: v1(95.15,11.86) 98.26,11.86
  Bottom w0.2: 93.37,20.03 93.37,17.39 93.43,17.34
  Bottom w0.25: SW540.2 87.05,20.01 89.73,17.34 94.73,17.34 95.14,16.92 95.14,11.87 v1(95.15,11.86)
Net-(D20-Pad2): length 8.6
  Top w0.2: 117.22,73.76 115.04,73.76 v1(115.02,73.74)
  Bottom w0.2: v1(115.02,73.74) 115.02,76.74 113.62,78.15 113.62,79.55
Net-(D21-Pad2): length 8.7
  Top w0.3: D517.2 117.09,54.84 v1(114.73,54.84)
  Bottom w0.3: SW522.2 113.62,58.65 114.73,57.54 v1(114.73,54.84)
Net-(D22-Pad2): length 8.9
  Top w0.2: D530.2 114.53,35.65 v1(114.52,35.64)
  Bottom w0.2: SW534.2 113.62,39.45 114.52,38.55 v1(114.52,35.64)
Net-(D23-Pad2): length 8.8
  Top w0.25: v1(114.72,11.85) 117.29,11.85
  Bottom w0.2: 114.72,15.04 113.62,16.14 SW548.2
  Bottom w0.25: v1(114.72,11.85) 114.72,15.04
Net-(D24-Pad2): length 8.9
  Top w0.25: v1(133.78,73.75) 136.42,73.75
  Bottom w0.2: SW511.2 132.67,77.6 133.78,76.49
  Bottom w0.25: v1(133.78,73.75) 133.78,73.75 133.78,76.49
Net-(D25-Pad2): length 8.7
  Top w0.25: v1(133.91,54.72) 136.36,54.72
  Bottom w0.2: 133.89,57.58 132.67,58.8 SW523.2
  Bottom w0.25: v1(133.91,54.72) 133.89,54.74 133.89,57.58
Net-(D26-Pad2): length 8.9
  Top w0.25: v1(133.79,35.65) 136.43,35.65
  Bottom w0.2: 133.8,38.57 132.67,39.7 SW535.2
  Bottom w0.25: 133.8,38.57 133.8,35.65 v1(133.79,35.65)
Net-(D27-Pad2): length 9
  Top w0.25: v1(133.8,11.81) 133.83,11.85 136.45,11.85
  Bottom w0.2: 133.78,14.29 132.67,15.4 SW549.2
  Bottom w0.25: 133.78,14.29 133.78,11.83 v1(133.8,11.81)
Net-(D28-Pad2): length 11.5
  Top w0.25: v1(152.3,73.77) 155.41,73.77
  Bottom w0.25: 151.73,81.96 151.73,79.28 152.29,78.72 152.29,73.78 v1(152.3,73.77)
Net-(D29-Pad2): length 11.5
  Top w0.25: v1(152.34,54.69) 155.45,54.69
  Bottom w0.25: 151.77,62.88 151.77,60.2 152.33,59.64 152.33,54.7 v1(152.34,54.69)
Net-(D30-Pad2): length 11.5
  Top w0.25: v1(152.38,35.63) 155.49,35.63
  Bottom w0.25: 151.81,43.82 151.81,41.14 152.37,40.58 152.37,35.64 v1(152.38,35.63)
Net-(D31-Pad2): length 12.3
  Top w0.25: D539.2 79.18,11.84 v1(77.73,11.84)
  Bottom w0.25: SW539.2 77.25,20.01 77.63,19.64 77.63,16.94 76.78,16.09 76.78,12.79 v1(77.73,11.84)
Net-(D32-Pad2): length 11.5
  Top w0.25: v1(171.37,73.75) 174.48,73.75
  Bottom w0.25: 170.8,81.94 170.8,79.26 171.36,78.7 171.36,73.76 v1(171.37,73.75)
Net-(D33-Pad2): length 11.5
  Top w0.25: v1(171.36,54.68) 174.47,54.68
  Bottom w0.25: 170.79,62.87 170.79,60.19 171.35,59.63 171.35,54.69 v1(171.36,54.68)
Net-(D34-Pad2): length 11.5
  Top w0.25: v1(171.45,35.6) 174.56,35.6
  Bottom w0.25: 170.88,43.79 170.88,41.11 171.44,40.55 171.44,35.61 v1(171.45,35.6)
Net-(D35-Pad2): length 11.5
  Top w0.25: v1(190.45,73.73) 193.56,73.73
  Bottom w0.25: v1(190.45,73.73) 190.44,73.74 190.44,78.68 189.88,79.24 189.88,81.92
Net-(D36-Pad2): length 11.5
  Top w0.25: v1(190.4,54.66) 193.51,54.66
  Bottom w0.25: v1(190.4,54.66) 190.39,54.67 190.39,59.61 189.83,60.17 189.83,62.85
Net-(D37-Pad2): length 11.5
  Top w0.25: v1(190.46,35.66) 193.57,35.66
  Bottom w0.25: v1(190.46,35.66) 190.45,35.67 190.45,40.61 189.89,41.17 189.89,43.85
Net-(D38-Pad2): length 11.5
  Top w0.25: v1(190.49,11.82) 193.6,11.82
  Bottom w0.25: 189.92,20.01 189.92,17.33 190.48,16.77 190.48,11.83 v1(190.49,11.82)
Net-(D39-Pad2): length 11.5
  Top w0.25: v1(209.53,73.73) 212.64,73.73
  Bottom w0.25: v1(209.53,73.73) 209.52,73.74 209.52,78.68 208.96,79.24 208.96,81.92
Net-(D40-Pad2): length 11.5
  Top w0.25: v1(209.51,54.68) 212.62,54.68
  Bottom w0.25: v1(209.51,54.68) 209.5,54.69 209.5,59.63 208.94,60.19 208.94,62.87
Net-(D41-Pad2): length 11.5
  Top w0.25: D524.2 209.72,38.03 v1(208.73,37.04)
  Bottom w0.25: v1(208.73,37.04) 209.43,37.74 209.43,40.57 208.91,41.1 208.91,43.78
Net-(D42-Pad2): length 10.5
  Top w0.25: D546.2 211.43,12.85 v1(211.87,13.29)
  Bottom w0.25: v1(211.87,13.29) 211.87,18.89 210.76,20.01 209.01,20.01
Net-(D43-Pad2): length 15.4
  Top w0.2: v1(222.03,70.44) 222.08,70.39 D511.2
  Bottom w0.2: v1(222.03,70.44) 225.23,73.64 225.23,77.44 227.92,80.13 SW509.2
Net-(D44-Pad2): length 15.4
  Top w0.2: v1(222.13,51.34) 222.08,51.29 D523.2
  Bottom w0.2: v1(222.13,51.34) 225.23,54.44 225.23,58.64 227.92,61.33 SW521.2
Net-(D45-Pad2): length 17.1
  Top w0.2: D535.2 v1(223.83,30.14)
  Bottom w0.2: SW533.2 227.92,42.05 225.23,39.35 225.23,31.54 v1(223.83,30.14)
Net-(D46-Pad2): length 20.7
  Top w0.2: v1(225.08,11.89) D547.2
  Bottom w0.2: SW547.2 227.92,18.23 225.08,15.39 v1(225.08,11.89)
Net-(D47-Pad2): length 39
  Top w0.25: D543.2 155.38,11.84 v1(153.63,11.84)
  Bottom w0.25: SW543.2 164.15,20.01 167.93,16.24 167.93,12.64 167.13,11.84 v1(153.63,11.84) 152.83,12.64 152.83,16.04 153.83,17.04 153.83,19.44 153.25,20.01 SW542.2
Net-(D48-Pad2): length 11.5
  Top w0.25: v1(171.47,11.78) 174.58,11.78
  Bottom w0.25: 170.9,19.97 170.9,17.29 171.46,16.73 171.46,11.79 v1(171.47,11.78)
Net-(J1-Pad3): length 25.3
  Top w0.2: v1(227.13,32.54) 218.05,32.54 214.25,28.74 U503.25 ; J501.3 227.17,25.6 v1(227.13,25.64)
  Bottom w0.2: v1(227.13,32.54) v1(227.13,25.64)
Net-(J1-Pad4): length 26.8
  Top w0.2: J501.4 226.51,23.06 v1(226.43,23.14) ; v1(226.33,31.74) 217.81,31.74 214.41,28.34 U503.24
  Bottom w0.2: v1(226.43,23.14) 226.33,23.24 v1(226.33,31.74)
Net-(J3-PadA5): length 3.5
  Top w0.2: 119.67,79.85 119.67,80.47 119.55,80.58 118.99,80.58 118.53,81.04 J500.A5
Net-(J3-PadA6): length 11
  Top w0.2: v1(115.51,79.89) 116.53,80.91 J500.B6 ; U501.1 v1(118.25,80.11) 117.53,80.84 J500.A6
  Bottom w0.2: v1(118.25,80.11) 117.7,80.67 116.29,80.67 v1(115.51,79.89)
Net-(J3-PadA7): length 7.6
  Top w0.2: U501.3 116.35,80.16 117.03,80.84 J500.A7 117.03,83.45 117.28,83.7 117.8,83.7 118.03,83.47 J500.B7
Net-(J3-PadB5): length 3.9
  Top w0.2: 114.23,79.23 114.23,79.67 115.53,80.97 J500.B5
Net-(R2-Pad2): length 6.4
  Top w0.2: U503.21 215.23,27.14 215.88,27.79 219.38,27.79
Net-(R3-Pad1): length 1.4
  Top w0.2: 205.05,28.04 205.53,28.04 205.83,28.34 U503.47
Net-(R4-Pad1): length 3.9
  Top w0.2: 202.64,29.04 203.33,29.04 203.63,28.74 U503.46
Net-(R5-Pad2): length 3.7
  Top w0.25: R506.2 200.93,22.8 v1(200.66,22.53)
  Bottom w0.2: SW550.2 199.65,23.54 v1(200.66,22.53)

## Copper pours and planes (outline as drawn; the poured copper is in the pictures)
GND on Top, Bottom: 236.84,-3.07 -6.77,-3.05 -6.67,96.95 237.04,97.03

## Text on the board
B.Silkscreen: Reset | Boot
